# Altium PCB IoTracking_PCB.PcbDoc (part 1 of 2)
Units mil, origin at the board's own origin, x right, y up, seen from the top; angles counter-clockwise.
Board outline 2755.91 x 2755.91 mil, 4 copper layers (Top Layer, GroundPlane, PowerPlane, Bottom Layer), stack 58.4 mil thick; 94 components, 53 nets, 311 pads, 167 vias.
Unrouted connection lines stored in the file: 53.
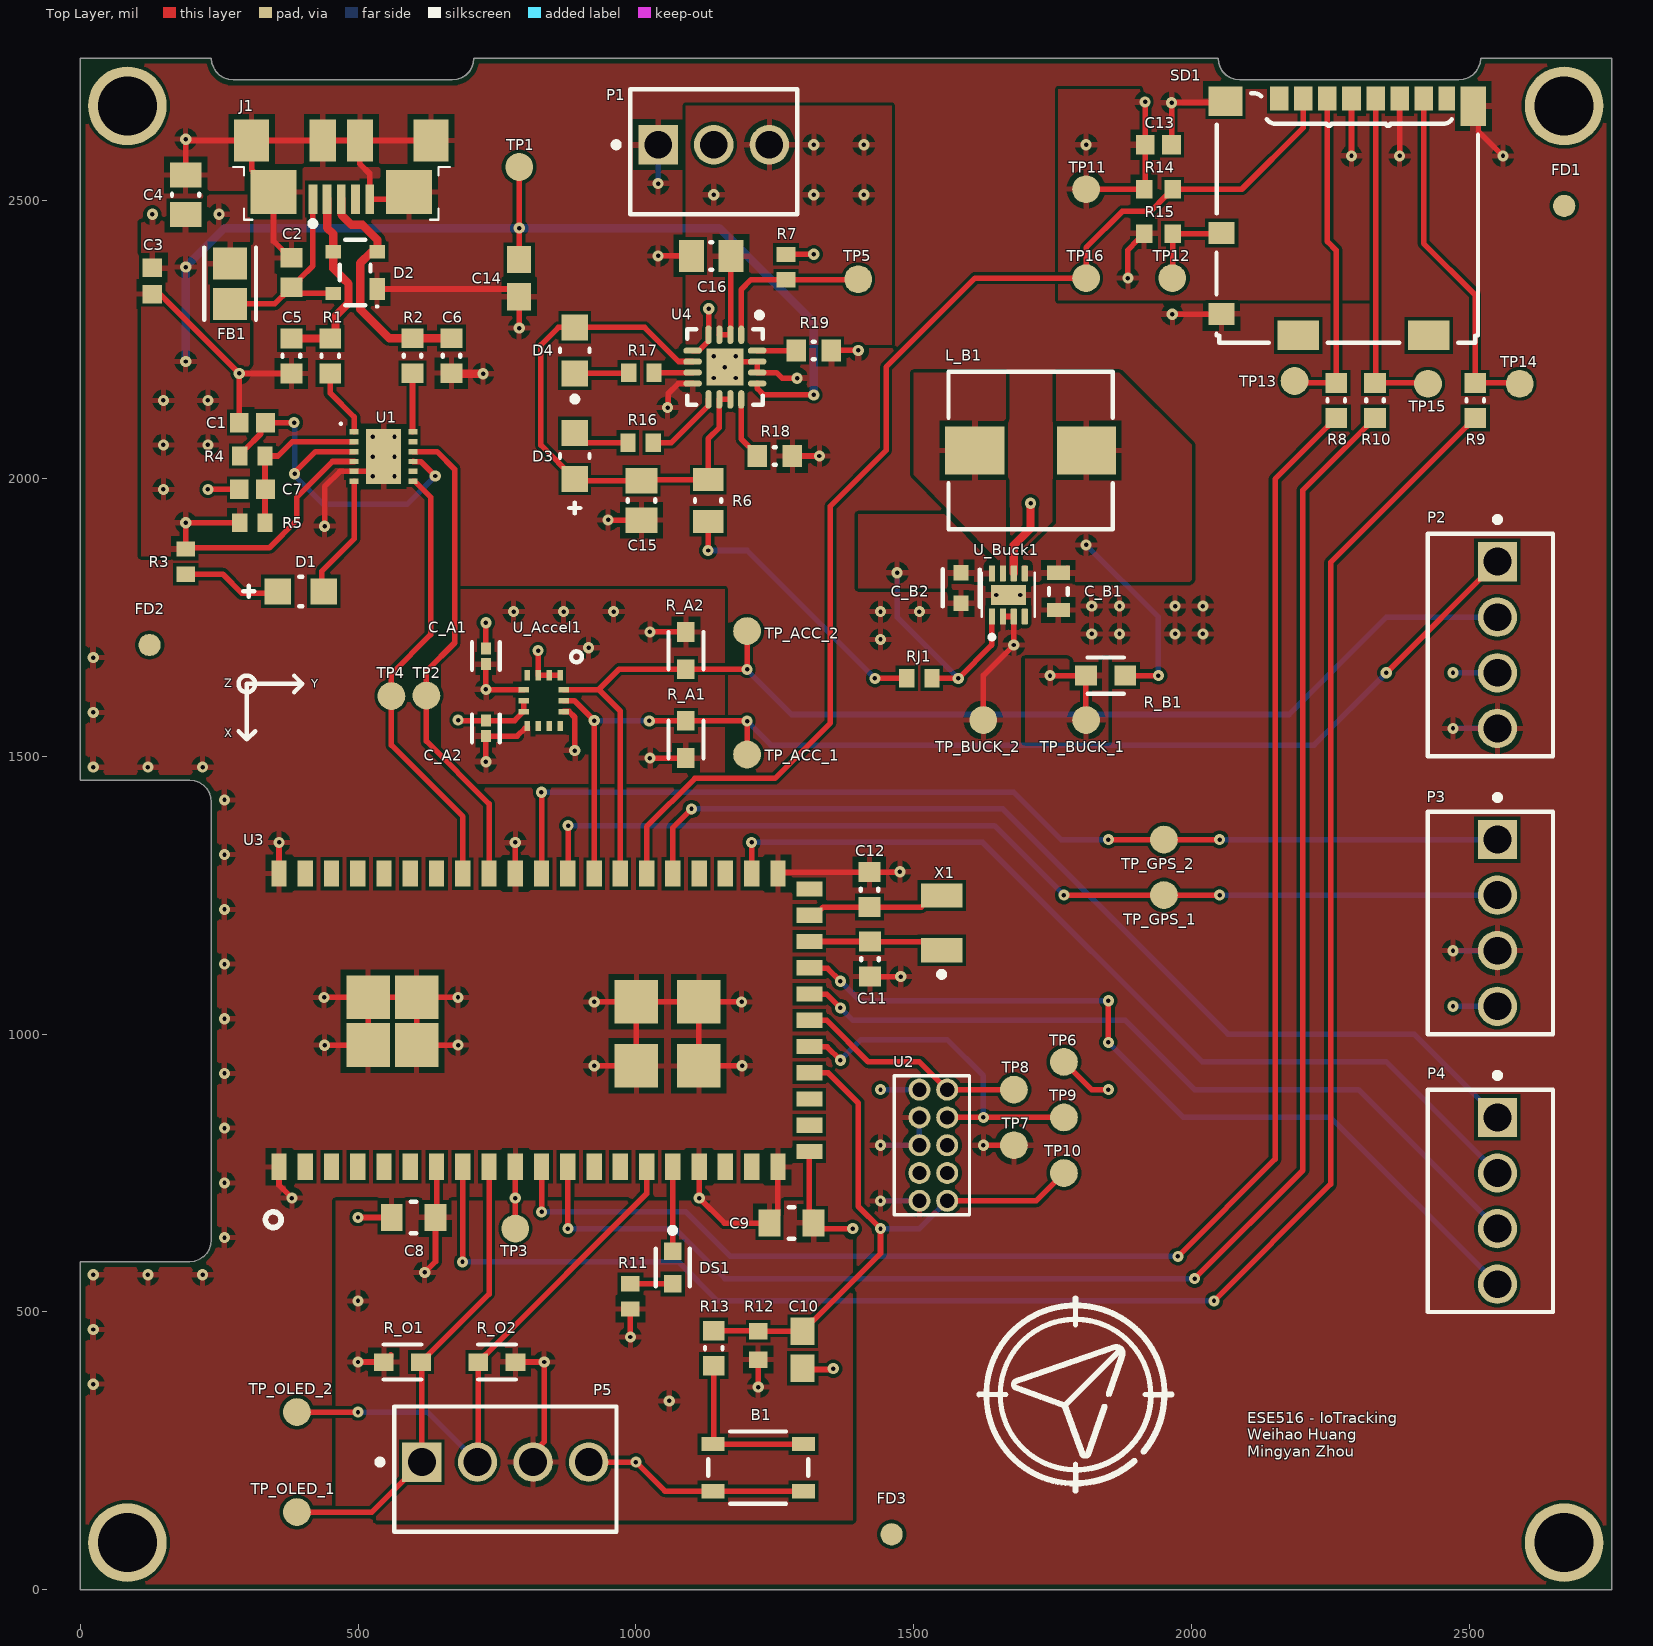
[diagram p0: Top Layer view]
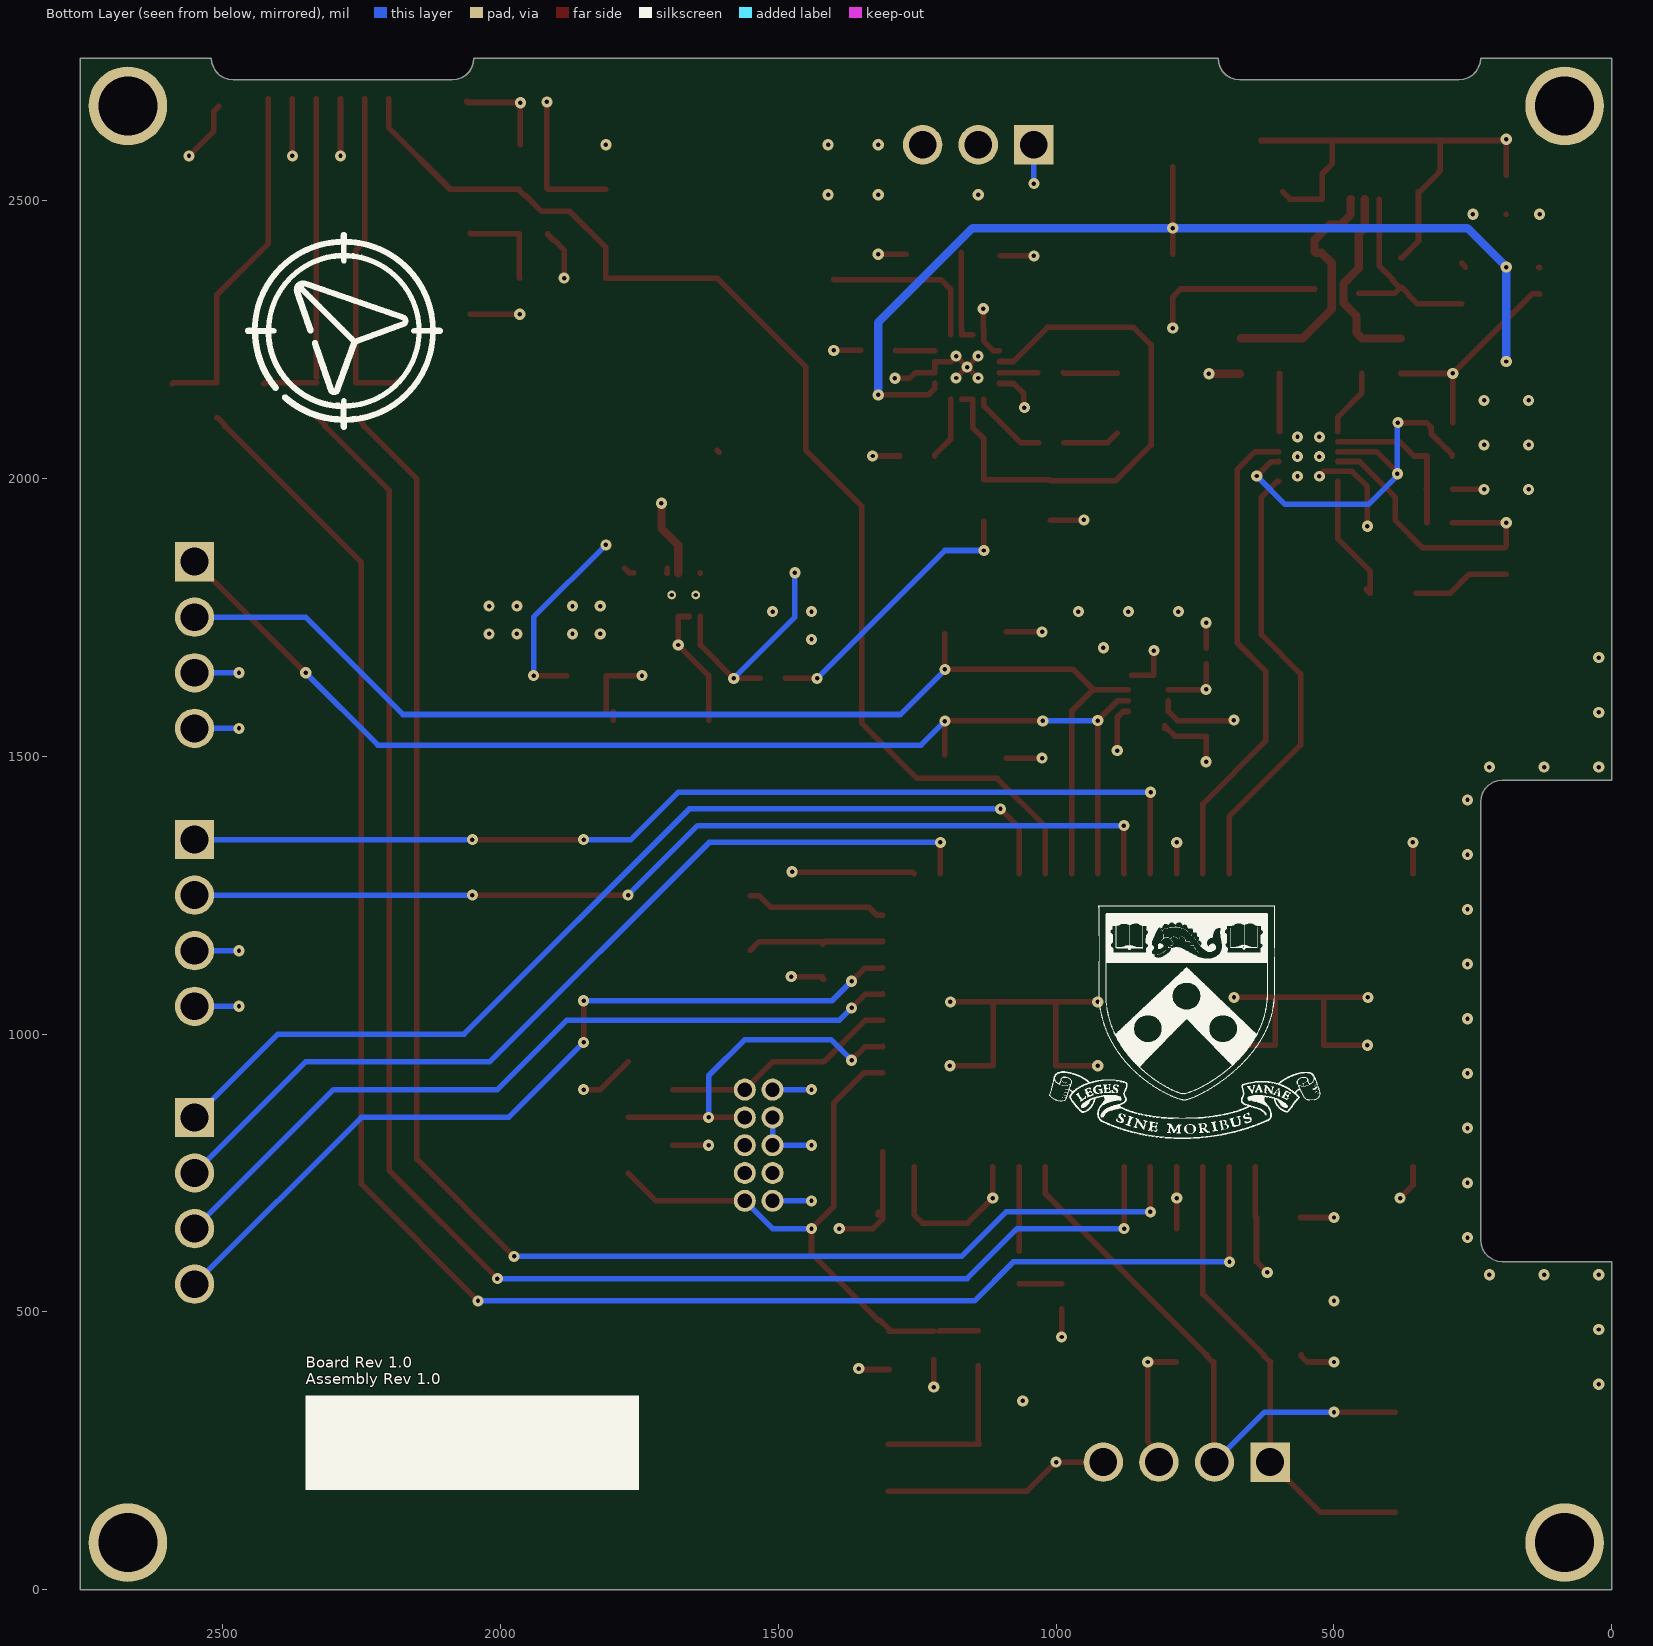
[diagram p1: Bottom Layer view, seen from below]
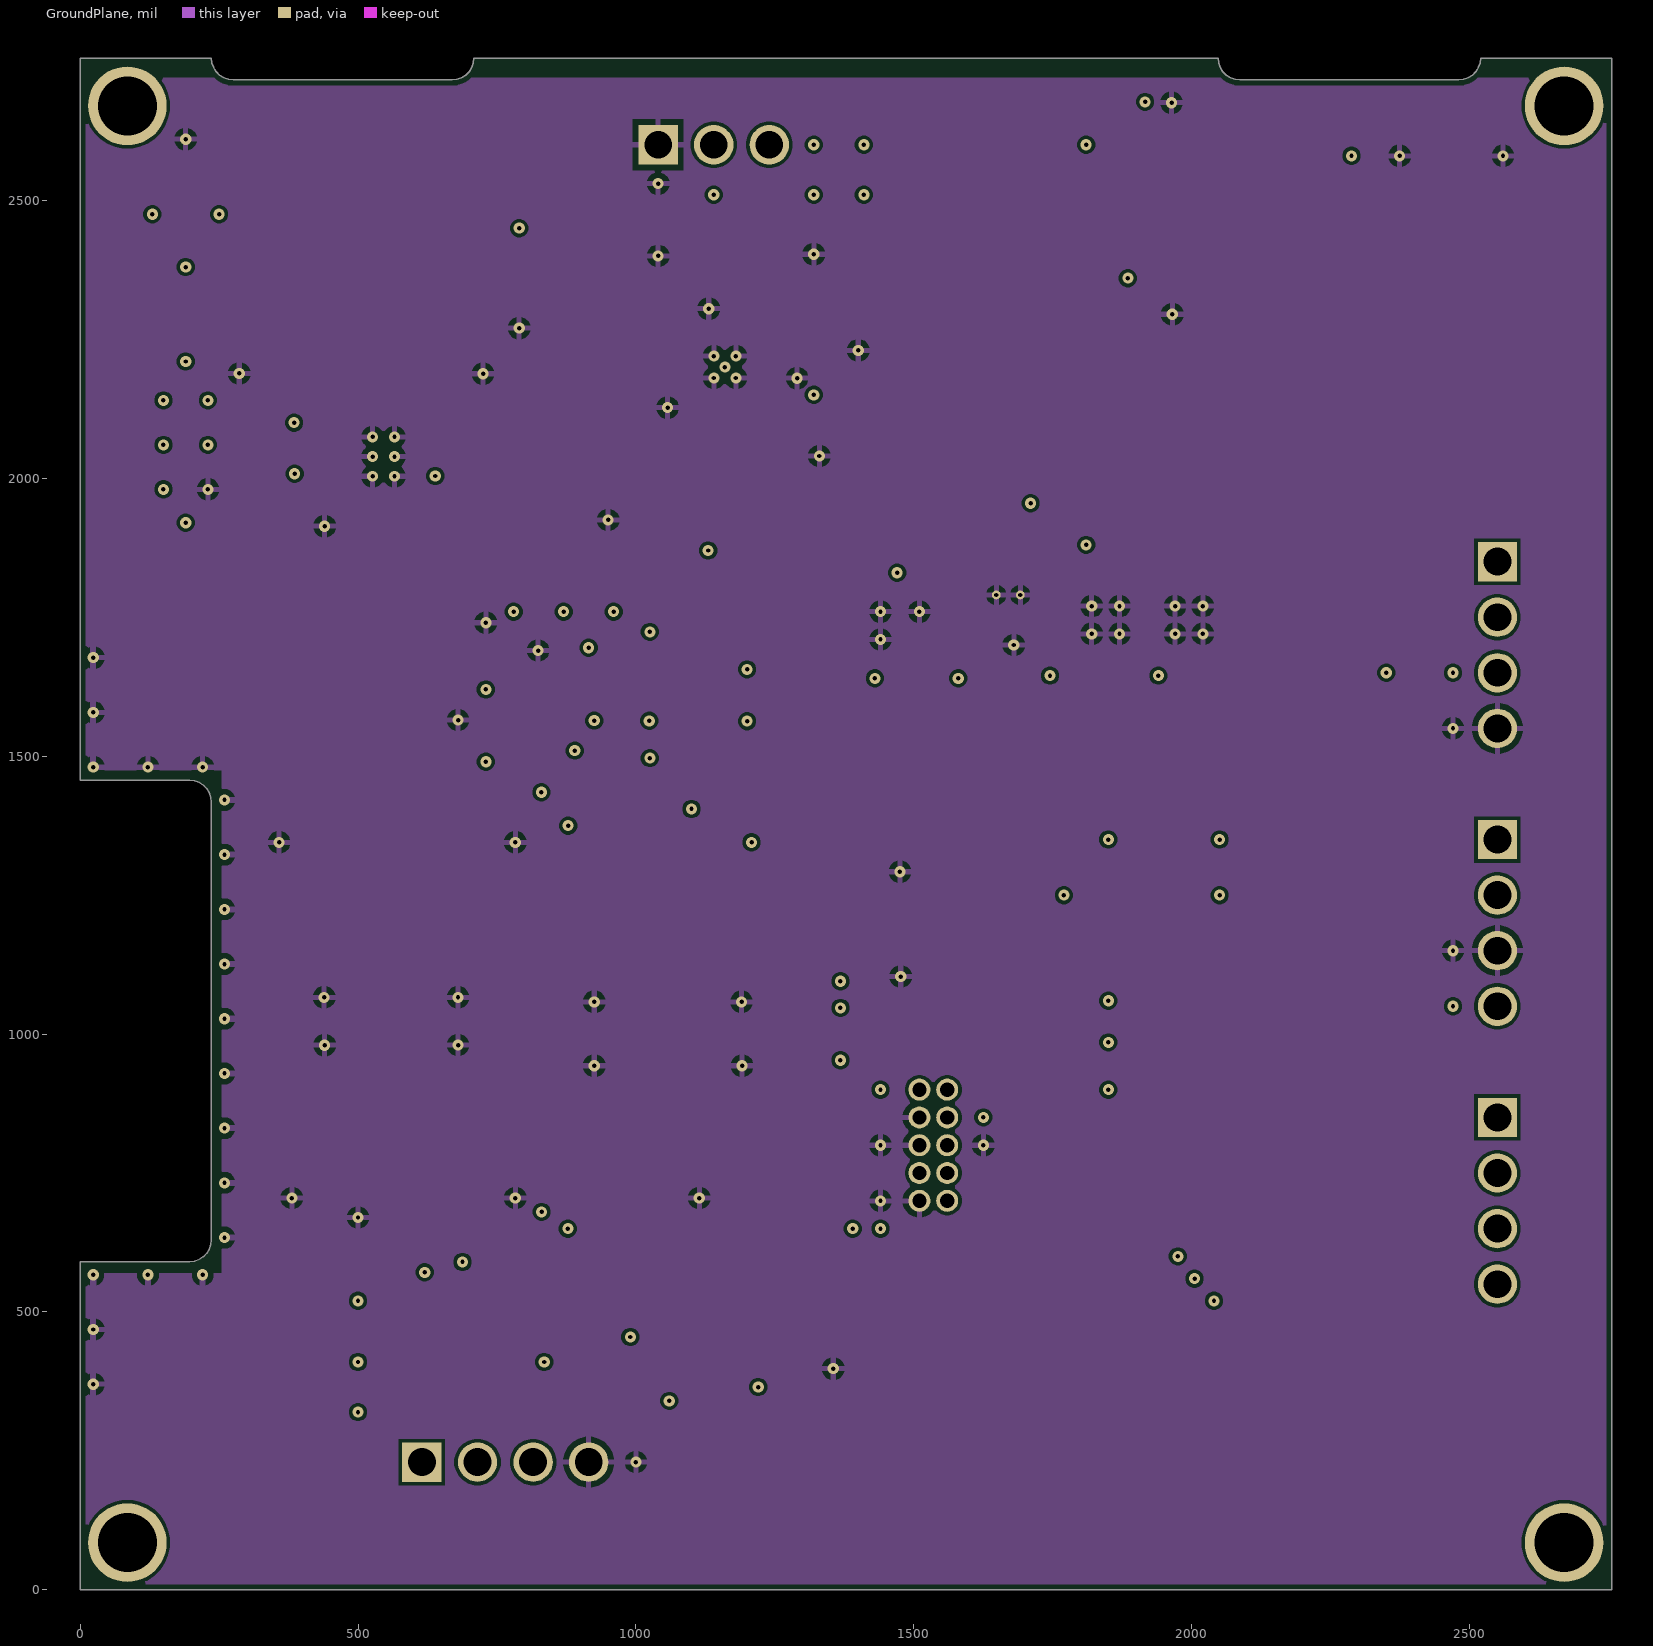
[diagram p2: GroundPlane]
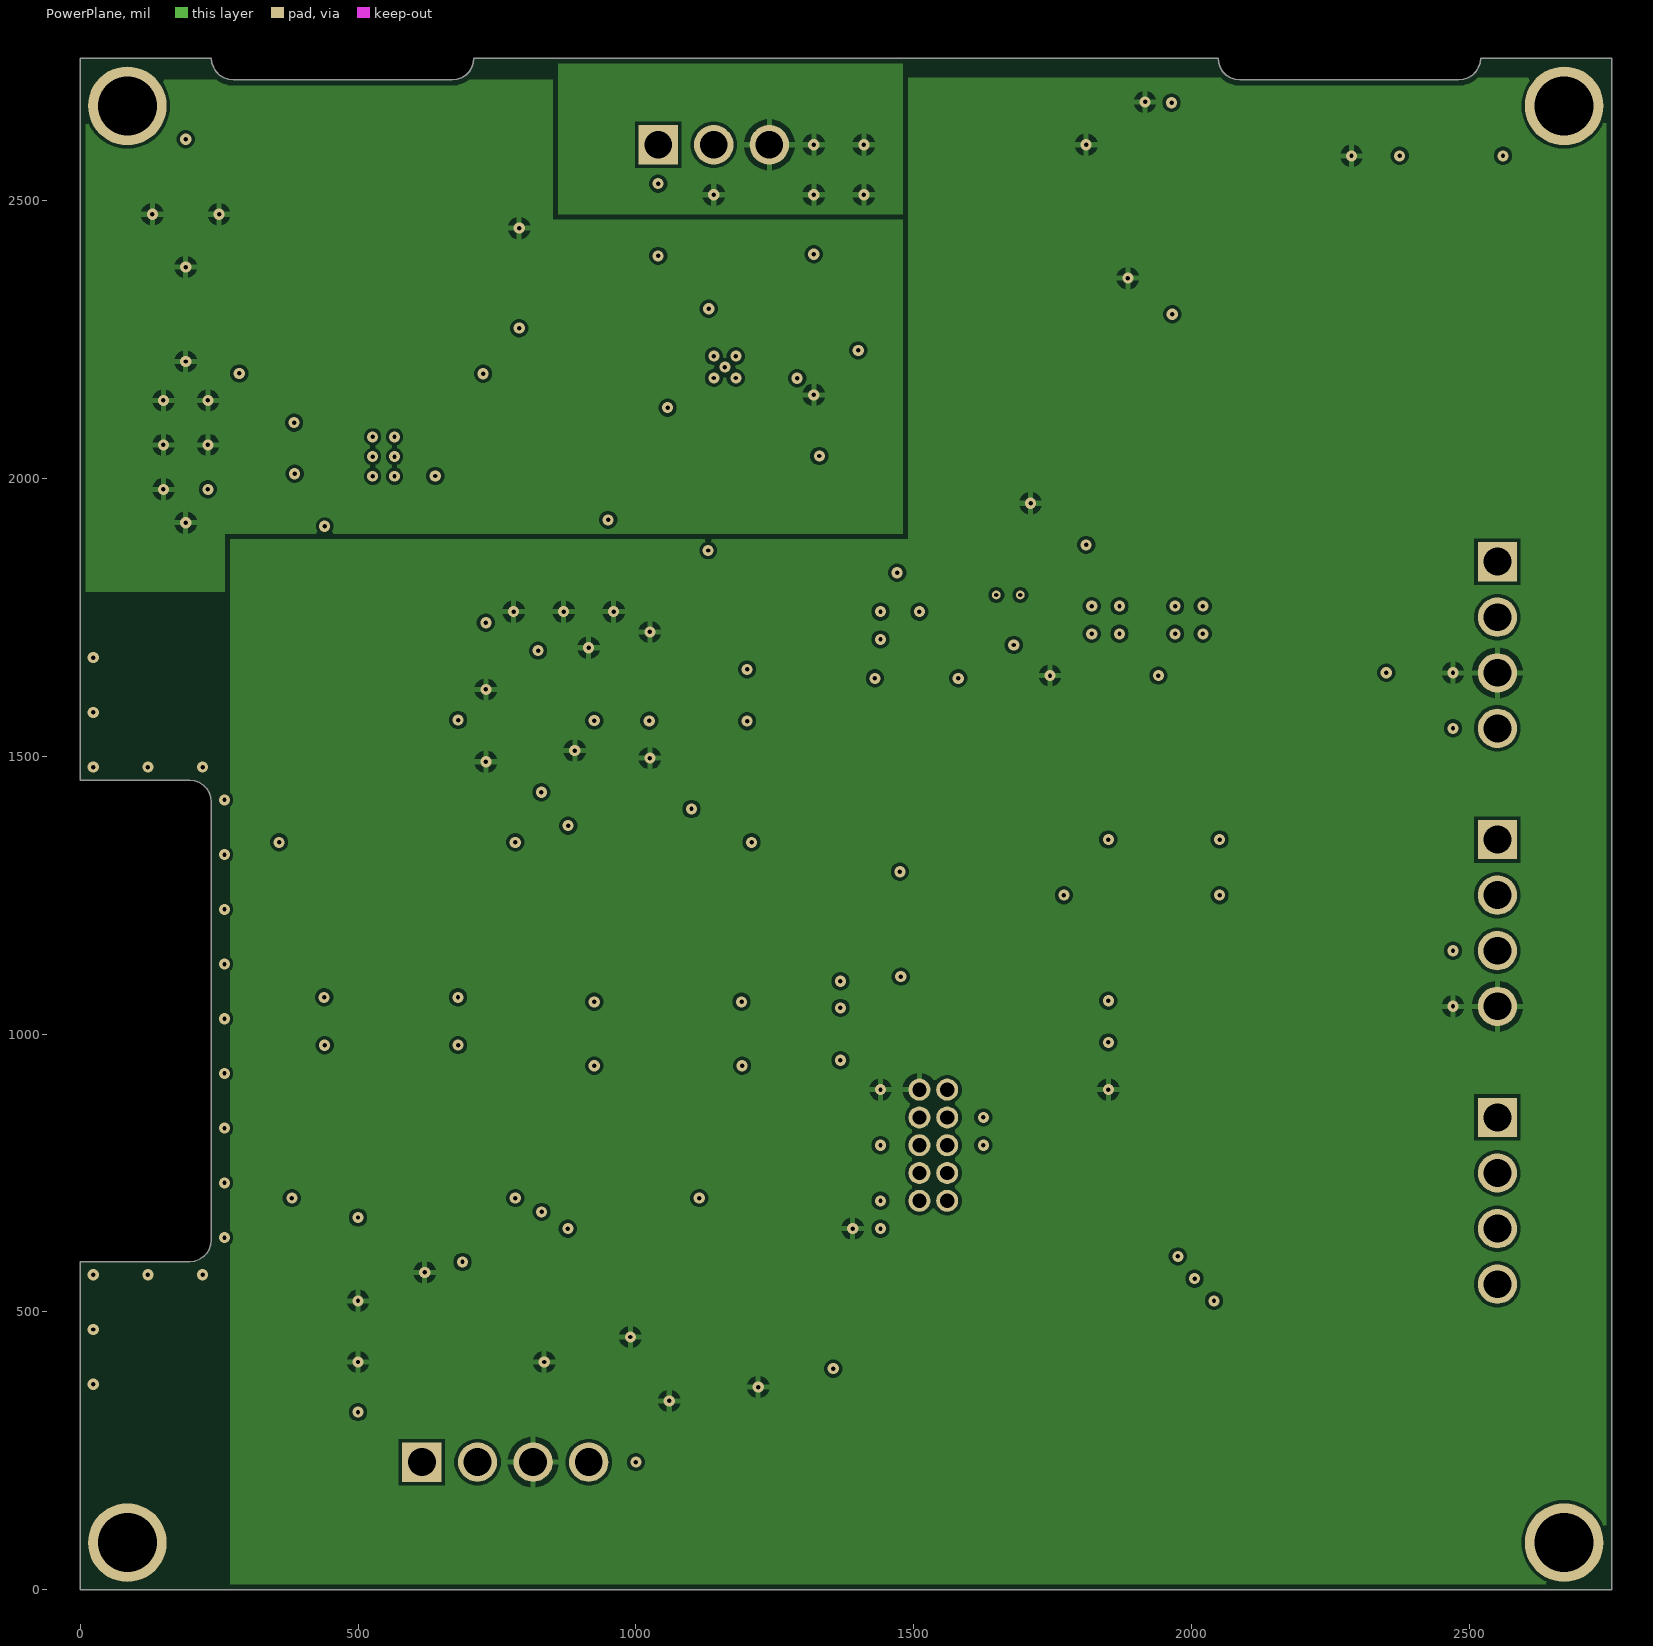
[diagram p3: PowerPlane]

## Layer stack, top to bottom
Top Solder: solder mask 1, Solder Resist, Dk 3.5
Top Layer: signal copper 1.5
Dielectric 1: prepreg 13, PP-006, Dk 4.1
GroundPlane: signal copper 0.7
Dielectric 2: core 28, Core-009, Dk 4.5
PowerPlane: signal copper 0.7
Dielectric 3: prepreg 13, PP-006, Dk 4.1
Bottom Layer: signal copper 1.5
Bottom Solder: solder mask 1, Solder Resist, Dk 3.5

## Board outline
2755.91,2755.91 2519.68,2755.91 2518.7,2747.15 2515.79,2738.82 2511.09,2731.36 2504.86,2725.12 2497.4,2720.43 2489.08,2717.52 2480.31,2716.54 2086.61,2716.54 2077.85,2717.52 2069.53,2720.43 2062.07,2725.12 2055.83,2731.36 2051.14,2738.82 2048.23,2747.15 2047.24,2755.91 708.66,2755.91 707.67,2747.15 704.76,2738.82 700.07,2731.36 693.84,2725.12 686.37,2720.43 678.05,2717.52 669.29,2716.54 275.59,2716.54 266.83,2717.52 258.51,2720.43 251.04,2725.12 244.81,2731.36 240.12,2738.82 237.21,2747.15 236.22,2755.91 0,2755.91 0,1456.69 196.85,1456.69 205.61,1455.71 213.93,1452.79 221.4,1448.1 227.63,1441.87 232.32,1434.41 235.23,1426.08 236.22,1417.32 236.22,629.92 235.23,621.16 232.32,612.84 227.63,605.37 221.4,599.14 213.93,594.45 205.61,591.54 196.85,590.55 0,590.55 0,0 2755.91,0

## Design rules (kind name [scope] priority, off if disabled: settings)
BoardOutlineClearance [All] p1: gap=10 ignorepadtopadclearanceinfootprint=FALSE
Clearance [All] p1: gap=6 ignorepadtopadclearanceinfootprint=TRUE except(10: SMDPad-THPad)
DiffPairsRouting [All] p1: maxlimit=10 minlimit=10 mostfreqgap=10 toplayer_minwidth=15 toplayer_maxwidth=15 toplayer_prefwidth=15 midlayer1_minwidth=15 midlayer1_maxwidth=15 midlayer1_prefwidth=15 midlayer2_minwidth=15 midlayer2_maxwidth=15 midlayer2_prefwidth=15 bottomlayer_minwidth=15 bottomlayer_maxwidth=15 bottomlayer_prefwidth=15 maxuncoupledlength=500
HoleSize [All] p1: absolutevalues=TRUE maxlimit=150 minlimit=1 maxpercent=80.000 minpercent=20.000
MinimumSolderMaskSliver [All] p1: minsoldermaskwidth=4
PolygonConnect [All] p1: connectstyle=Relief reliefconductorwidth=10 reliefentries=4 polygonreliefangle="90 Angle" airgapwidth=10
RoutingVias [All] p1: holewidth=8 width=20 viastyle="Through Hole" minholewidth=8 minwidth=20 maxholewidth=30 maxwidth=50
SilkToSolderMaskClearance [IsPad] p1: minsilkscreentomaskgap=2 clearancetoexposedcopper=TRUE
SolderMaskExpansion [All] p1: expansion=4 istentingtop=FALSE
Width [All] p1: maxlimit=1000 minlimit=6 preferedwidth=10
26 further rules are at their usual default settings.
